# KiCad board TimeDisk.kicad_pcb
title: TimeDisk (GW4206B); date: 2024-04-16; rev: 1.0; company: Garrett's Workshop
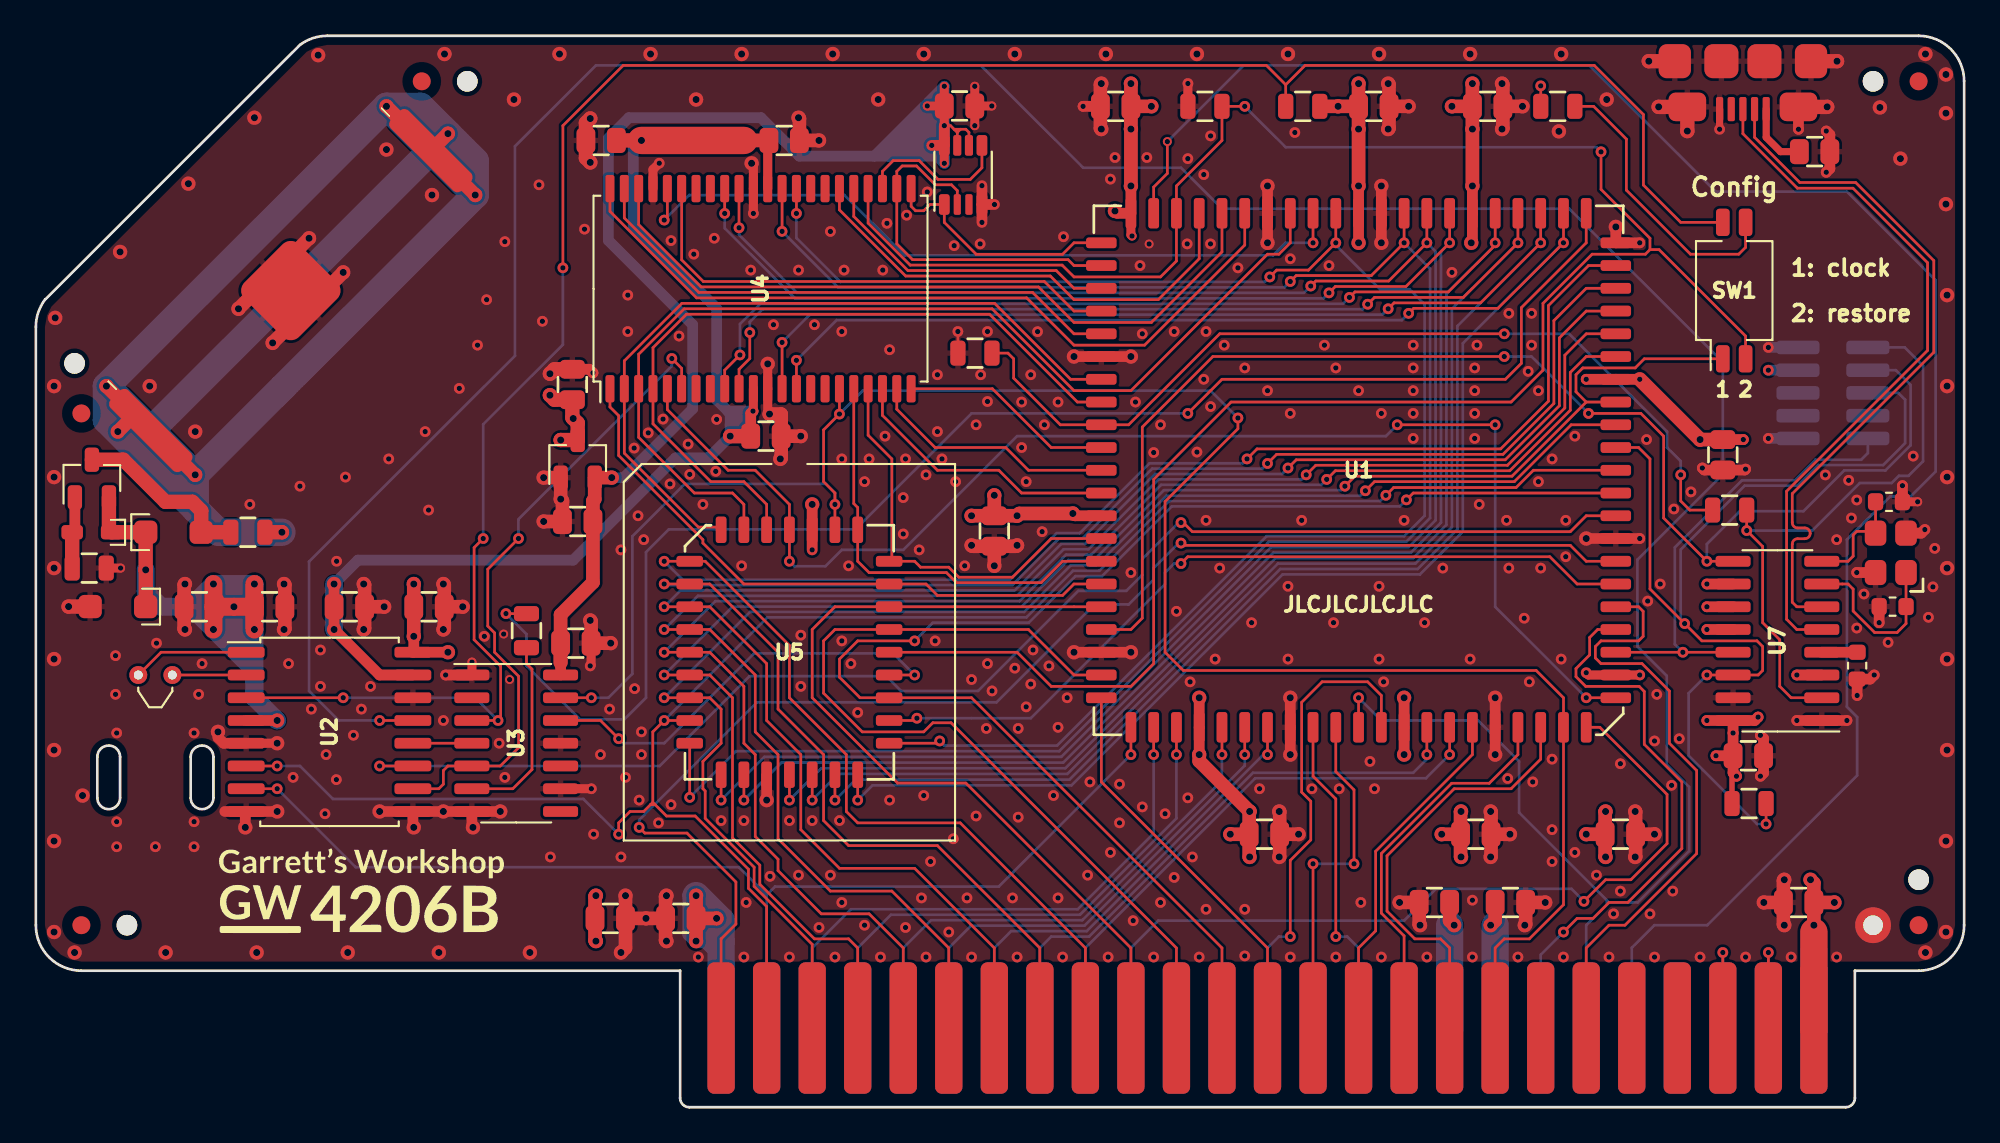
[diagram p0: board, top side]
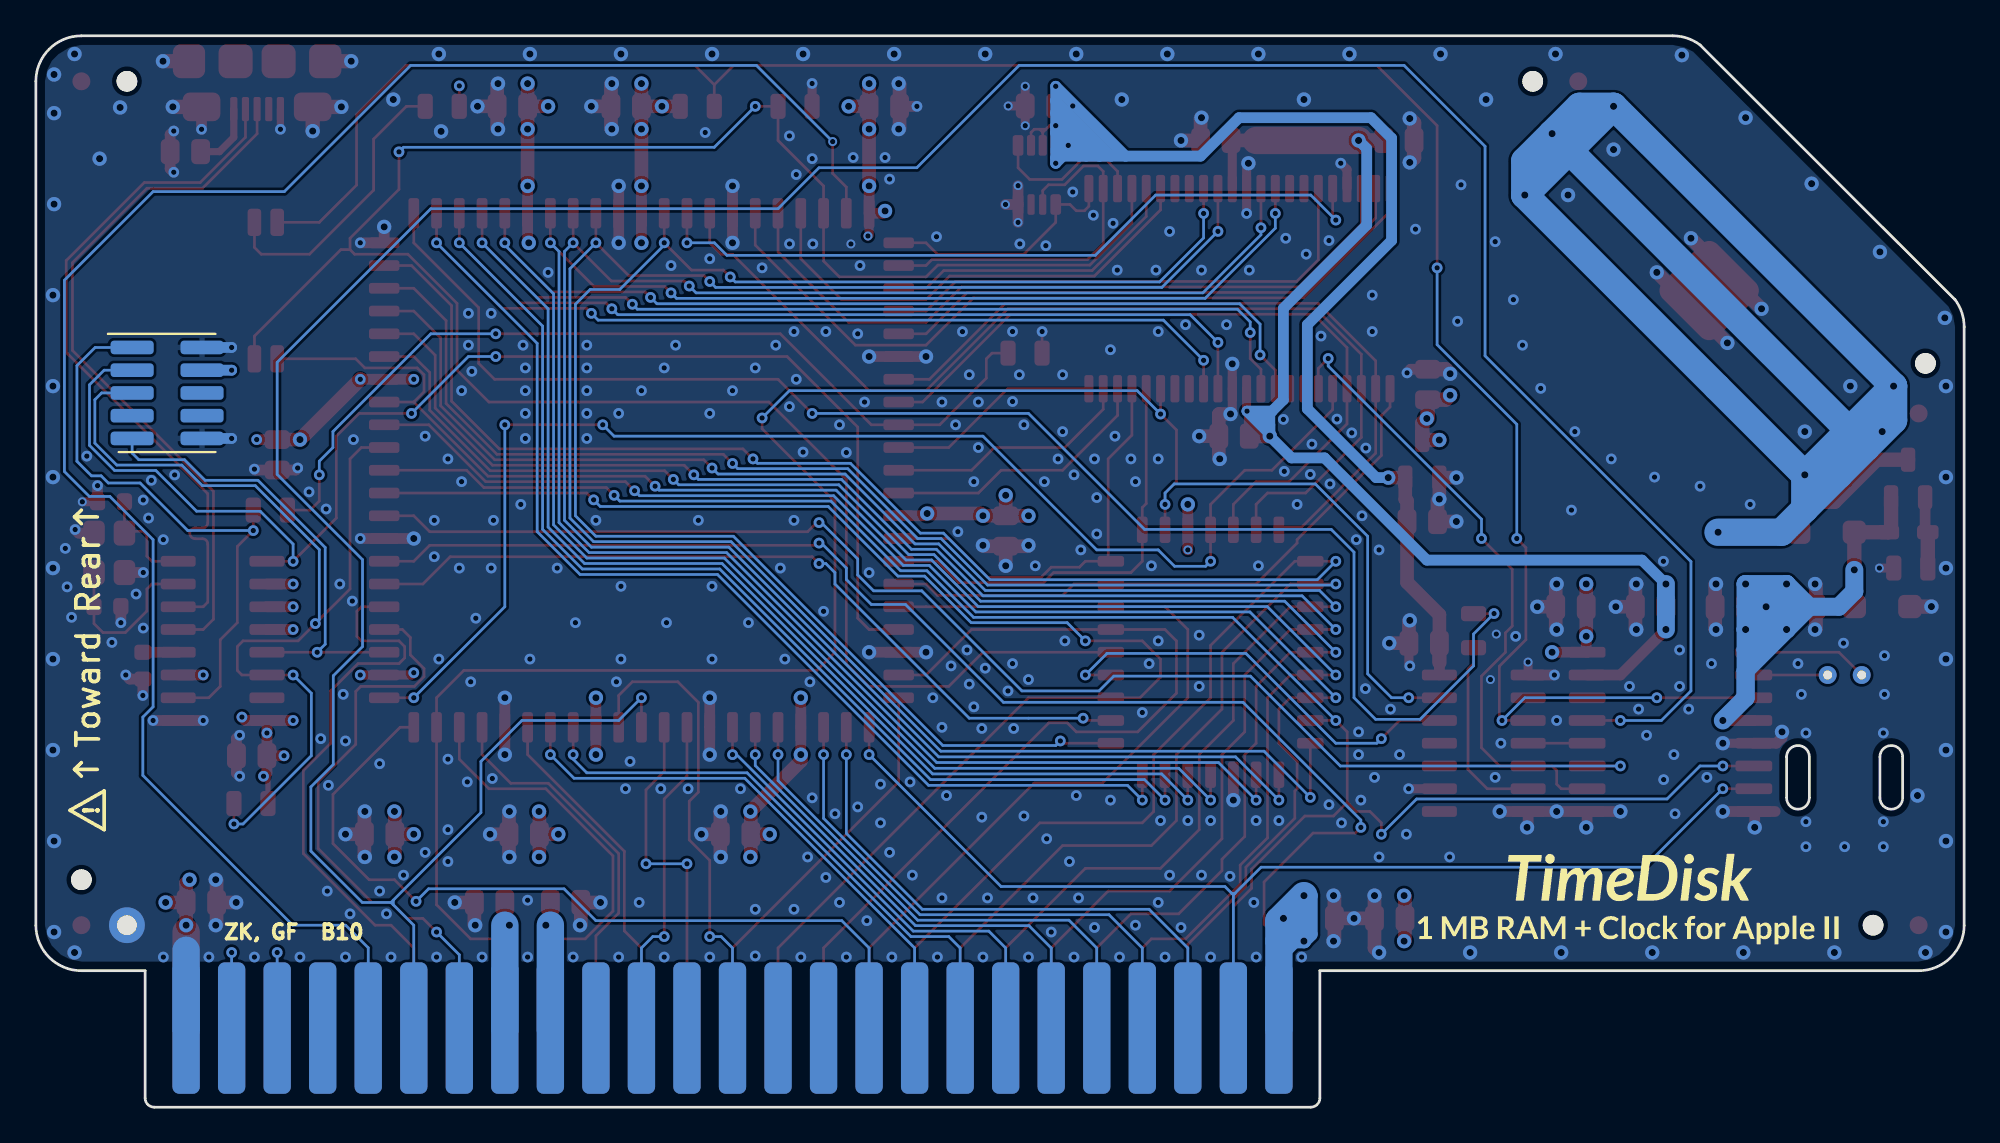
[diagram p1: board, bottom side, seen from below]

Outline 107.57 x 59.82 mm; copper layers: Top, In1.Cu (plane), In2.Cu (plane), Bottom. Coordinates in mm from the lower left corner of the outline.
Outline path: 0,43.56 arc(0.13,44.36) 0.51,45.09 14.73,59.31 arc(15.45,59.69) 16.26,59.82 105.03,59.82 arc(106.83,59.07) 107.57,57.28 107.57,10.16 arc(106.83,8.36) 105.03,7.62 101.47,7.62 101.47,0.51 arc(101.32,0.15) 100.97,0 36.45,0 arc(36.09,0.15) 35.94,0.51 35.94,7.62 2.54,7.62 arc(0.74,8.36) 0,10.16 0,43.56 ; 3.43,19.56 3.43,17.27 arc(4.06,16.64) 4.7,17.27 4.7,19.56 arc(4.06,20.19) 3.43,19.56 ; 8.64,19.56 8.64,17.27 arc(9.27,16.64) 9.91,17.27 9.91,19.56 arc(9.27,20.19) 8.64,19.56
Stack: Top 0.035mm / dielectric 0.2104mm FR4 er 4.6 / In1.Cu 0.0175mm / dielectric 1.065mm FR4 er 4.5 / In2.Cu 0.0175mm / dielectric 0.2104mm FR4 er 4.6 / Bottom 0.035mm

## Placement (name value [footprint] x y rotation side)
BT1  CR2032  [Keystone_3034_2032]  14.22 45.59 225 top
C1  2u2  [C_0805]  98.34 11.43 180 top
C2  2u2  [C_0805]  88.39 15.24 0 top
C3  2u2  [C_0805]  94.11 36.42 270 top
C4  2u2  [C_0805]  80.99 55.88 0 top
C5  2u2  [C_0805]  74.64 55.88 0 top
C6  2u2  [C_0805]  60.24 55.88 180 top
C7  2u2  [C_0805]  53.47 32.17 270 top
C8  2u2  [C_0805]  30.12 25.91 0 top
C9  2u2  [C_0805]  21.93 27.94 0 top
C10  2u2  [C_0805]  9.12 27.94 180 top
C11  2u2  [C_0805]  29.93 40.35 90 top
C12  2u2  [C_0805]  13.04 27.94 0 top
C13  2u2  [C_0805]  30.23 32.7 180 top
C14  2u2  [C_0805]  17.49 27.94 0 top
C15  2u2  [C_0805]  40.73 37.46 0 top
C16  2u2  [C_0805]  41.74 53.97 0 top
C17  2u2  [C_0805]  31.53 53.97 180 top
C18  2u2  [C_0805]  35.98 10.54 180 top
C19  2u2  [C_0805]  78.02 11.43 0 top
C20  2u2  [C_0805]  80.33 15.24 0 top
C21  2u2  [C_0805]  82.26 11.43 180 top
C22  2u2  [C_0805]  68.54 15.24 0 top
C23  22p  [C_0603]  103.38 33.8 0 top
C24  22p  [C_0603]  103.58 27.95 180 top
C25  100n  [C_0603]  101.6 24.65 270 top
C26  2u2  [C_0805]  32.04 10.54 0 top
C27  2u2  [C_0805]  95.53 19.62 0 top
C28  2u2  [C_0805]  99.23 53.35 0 top
C29  2u2  [C_0805]  51.53 55.9 0 top
D1  1N5819WS  [D_SOD-123]  7.68 32.1 0 top
D2  1N5819WS  [D_SOD-123]  4.58 27.95 180 top
D3  6V8  [D_SOD-323]  3.13 32.1 180 top
FID1  -  [Fiducial]  105.03 57.28 270 top
FID2  -  [Fiducial]  2.54 38.73 90 top
FID3  -  [Fiducial]  21.53 57.28 90 top
FID4  -  [Fiducial]  105.03 10.16 0 top
FID5  -  [Fiducial]  2.54 10.16 0 top
G***  -  [LOGO]  18.16 11.87 0 top
G***#2  -  [LOGO]  18.73 11.82 180 bottom
H1  -  [PasteHole_1.1mm_PTH]  102.49 10.16 0 top
H2  -  [PasteHole_1.152mm_NPTH]  2.16 41.53 90 top
H3  -  [PasteHole_1.152mm_NPTH]  24.07 57.28 90 top
H4  -  [PasteHole_1.152mm_NPTH]  102.49 57.28 270 top
H5  -  [PasteHole_1.152mm_NPTH]  5.08 10.16 0 top
H6  -  [PasteHole_1.152mm_NPTH]  105.03 12.7 0 top
J1  AppleIIBus  [AppleIIBus_Edge]  68.71 4.32 0 top
J2  microUSB  [USB_Micro-B_Amphenol_10118192-0001]  95.23 57.85 180 top
J3  JTAG  [Header_2x5_Unshrouded_P1.27mm]  100.25 39.88 270 bottom
Q1  AO3401A  [SOT-23]  3.13 35.1 270 top
R1  4k7  [R_0805]  70.67 55.88 0 top
R2  4k7  [R_0805]  65.22 55.88 0 top
R3  4k7  [R_0805]  84.9 55.88 0 top
R4  22  [R_0805]  27.37 26.6 90 top
R5  22  [R_0805]  94.49 33.34 180 top
R7  680  [R_0805]  11.83 32.1 0 top
R8  680  [R_0805]  2.98 30.1 180 top
R9  DNP  [R_0805]  52.39 42.1 180 top
R10  DNP  [R_0805]  95.57 16.95 0 top
SW1  Mode  [SW_DIP_SPSTx02_Slide_DSHP02TS_P1.27mm]  94.74 45.59 0 top
U1  EPM7128SL84  [PLCC-84]  73.79 35.56 180 top
U2  DS1315S-5  [SOIC-16_7.5mm]  16.38 20.95 270 top
U3  74LVC04AD  [SOIC-14_3.9mm]  26.8 20.32 270 top
U4  AS6C8008  [TSOP-II-44_400mil_P0.8mm]  40.43 45.7 0 top
U5  39F040  [PLCC-32_SMDSocket]  42.04 25.4 270 top
U6  XC6206P332MR  [SOT-23]  30.23 36.2 270 top
U7  CH340G  [SOIC-16_3.9mm]  97.15 26.03 90 top
U8  74LVC1G74DP  [NXP_TSSOP-8_3x3mm_P0.65mm]  51.73 52.05 90 top
Y1  32k768  [Crystal_C26-LF_D2.1mm_L6.5mm_Horizontal]  5.72 24.13 0 top
Y2  12M  [Crystal_SMD_3225-4Pin_3.2x2.5mm]  103.48 30.95 90 top

## Library data of the parts
BT1 = -: Description: Single-cell battery; LCSC Part: C964833
C1-C22 C26-C29 = -: Description: Unpolarized capacitor, small symbol; LCSC Part: C87994
C23 C24 = -: Description: Unpolarized capacitor, small symbol; LCSC Part: C1653
C25 = -: Description: Unpolarized capacitor, small symbol; LCSC Part: C28233
D1 D2 = -: Description: Schottky diode, small symbol, filled shape; LCSC Part: C191023
D3 = -: Description: Zener diode, small symbol, filled shape; LCSC Part: C118604
FID1-FID5 = -: Description: Fiducial Marker
H1 = -: Description: Mounting Hole with connection
H2-H6 = -: Description: Mounting Hole without connection
J1 = -: Description: Generic connector, double row, 02x25, counter clockwise pin numbering scheme (similar to DIP packge numbering), script generated (kicad-library-utils/schlib/autogen/connector/)
J2 = -: Description: USB Micro Type B connector; LCSC Part: C132564
J3 = -: Description: Generic connector, double row, 02x05, odd/even pin numbering scheme (row 1 odd numbers, row 2 even numbers), script generated (kicad-library-utils/schlib/autogen/connector/)
Q1 = -: Description: -4.0A Id, -30V Vds, P-Channel MOSFET, SOT-23; LCSC Part: C15127
R1-R3 = -: Description: Resistor, small symbol; LCSC Part: C17673
R4 R5 = -: Description: Resistor, small symbol; LCSC Part: C17561
R7 R8 = -: Description: Resistor, small symbol; LCSC Part: C17798
R9 R10 = -: Description: Resistor, small symbol
SW1 = -: Description: 2x DIP Switch, Single Pole Single Throw (SPST) switch, small symbol
U3 = -: Description: Hex Inverter; LCSC Part: C190764
U4 = -: LCSC Part: C1349342
U5 = -: LCSC Part: C645936
U6 = -: Description: Positive 60-250mA Low Dropout Regulator, Fixed Output, SOT-23; LCSC Part: C5446
U7 = -: Description: USB serial converter, UART, SOIC-16; LCSC Part: C14267
U8 = -: LCSC Part: C458768
Y1 = -: Description: Two pin crystal, small symbol
Y2 = -: Description: Four pin crystal, GND on pins 2 and 4, small symbol; LCSC Part: C9002

## Footprints (pads in the part's own frame, mm; a bottom-side part is the same pattern mirrored in y, then rotated)
AppleIIBus_Edge
  rrect 1.524x7.34 smd: 1(-30.48,0.1) 2(-27.94,0.1) 3(-25.4,0.1) 4(-22.86,0.1) 5(-20.32,0.1) 6(-17.78,0.1) 7(-15.24,0.1) 8(-12.7,0.1) 9(-10.16,0.1) 10(-7.62,0.1) 11(-5.08,0.1) 12(-2.54,0.1) 13(0,0.1) 14(2.54,0.1) 15(5.08,0.1) 16(7.62,0.1) 17(10.16,0.1) 18(12.7,0.1) 19(15.24,0.1) 20(17.78,0.1) 21(20.32,0.1) 22(22.86,0.1) 23(25.4,0.1) 24(27.94,0.1) 25(30.48,0.1)
  rrect 1.524x7.34 smd far side: 26(30.48,0.1) 27(27.94,0.1) 28(25.4,0.1) 29(22.86,0.1) 30(20.32,0.1) 31(17.78,0.1) 32(15.24,0.1) 33(12.7,0.1) 34(10.16,0.1) 35(7.62,0.1) 36(5.08,0.1) 37(2.54,0.1) 38(0,0.1) 39(-2.54,0.1) 40(-5.08,0.1) 41(-7.62,0.1) 42(-10.16,0.1) 43(-12.7,0.1) 44(-15.24,0.1) 45(-17.78,0.1) 46(-20.32,0.1) 47(-22.86,0.1) 48(-25.4,0.1) 49(-27.94,0.1) 50(-30.48,0.1)
C_0603
  rrect 0.85x0.95 smd: 1(-0.75,0) 2(0.75,0)
C_0805
  rrect 1.05x1.4 smd: 1(-0.85,0) 2(0.85,0)
Crystal_C26-LF_D2.1mm_L6.5mm_Horizontal
  round 1 hole 0.5: 1(0,0) 2(1.9,0)
Crystal_SMD_3225-4Pin_3.2x2.5mm
  rrect 1.4x1.2 smd: 1(-1.1,-0.85) 2(1.1,-0.85) 3(1.1,0.85) 4(-1.1,0.85)
D_SOD-123
  rrect 1.3x1.3 smd: 1(-1.55,0) 2(1.55,0)
D_SOD-323
  rrect 1.2x0.8 smd: 1(-1.1,0) 2(1.1,0)
Fiducial
  round 1 smd: ~(0,0)
Header_2x5_Unshrouded_P1.27mm
  rrect 0.76x2.4 smd: 1(-2.54,-1.95) 2(-2.54,1.95) 3(-1.27,-1.95) 4(-1.27,1.95) 5(0,-1.95) 6(0,1.95) 7(1.27,-1.95) 8(1.27,1.95) 9(2.54,-1.95) 10(2.54,1.95)
Keystone_3034_2032
  rrect 1.397x5.588 smd: 1(-11.049,0) 1(11.049,0)
  rrect 4.3x4.3 smd: 2(0,0)
NXP_TSSOP-8_3x3mm_P0.65mm
  rrect 1.15x0.6 smd: 1(-1.65,1.05) 4(-1.65,-1.05) 5(1.65,-1.05) 8(1.65,1.05)
  rrect 1.15x0.4 smd: 2(-1.65,0.325) 3(-1.65,-0.325)
  rrect 1.15x0.45 smd: 6(1.65,-0.325) 7(1.65,0.325)
PasteHole_1.1mm_PTH
  round 2 hole 1.1: 1(0,0)
PasteHole_1.152mm_NPTH
  round 1.152 hole 1.152 unplated: (0,0)
PLCC-32_SMDSocket
  rrect 1.475x0.6 smd: 1(-6.838,0) 2(-6.838,-1.27) 3(-6.838,-2.54) 4(-6.838,-3.81) 14(6.838,-3.81) 15(6.838,-2.54) 16(6.838,-1.27) 17(6.838,0) 18(6.838,1.27) 19(6.838,2.54) 20(6.838,3.81) 30(-6.838,3.81) 31(-6.838,2.54) 32(-6.838,1.27)
  rrect 0.6x1.475 smd: 5(-5.08,-5.562) 6(-3.81,-5.562) 7(-2.54,-5.562) 8(-1.27,-5.562) 9(0,-5.562) 10(1.27,-5.562) 11(2.54,-5.562) 12(3.81,-5.562) 13(5.08,-5.562) 21(5.08,5.562) 22(3.81,5.562) 23(2.54,5.562) 24(1.27,5.562) 25(0,5.562) 26(-1.27,5.562) 27(-2.54,5.562) 28(-3.81,5.562) 29(-5.08,5.562)
PLCC-84
  rrect 0.6x1.7 smd: 1(0,14.35) 2(-1.27,14.35) 3(-2.54,14.35) 4(-3.81,14.35) 5(-5.08,14.35) 6(-6.35,14.35) 7(-7.62,14.35) 8(-8.89,14.35) 9(-10.16,14.35) 10(-11.43,14.35) 11(-12.7,14.35) 33(-12.7,-14.35) 34(-11.43,-14.35) 35(-10.16,-14.35) 36(-8.89,-14.35) 37(-7.62,-14.35) 38(-6.35,-14.35) 39(-5.08,-14.35) 40(-3.81,-14.35) 41(-2.54,-14.35) 42(-1.27,-14.35) 43(0,-14.35) 44(1.27,-14.35) 45(2.54,-14.35) 46(3.81,-14.35) 47(5.08,-14.35) 48(6.35,-14.35) 49(7.62,-14.35) 50(8.89,-14.35) 51(10.16,-14.35) 52(11.43,-14.35) 53(12.7,-14.35) 75(12.7,14.35) 76(11.43,14.35) 77(10.16,14.35) 78(8.89,14.35) 79(7.62,14.35) 80(6.35,14.35) 81(5.08,14.35) 82(3.81,14.35) 83(2.54,14.35) 84(1.27,14.35)
  rrect 1.7x0.6 smd: 12(-14.35,12.7) 13(-14.35,11.43) 14(-14.35,10.16) 15(-14.35,8.89) 16(-14.35,7.62) 17(-14.35,6.35) 18(-14.35,5.08) 19(-14.35,3.81) 20(-14.35,2.54) 21(-14.35,1.27) 22(-14.35,0) 23(-14.35,-1.27) 24(-14.35,-2.54) 25(-14.35,-3.81) 26(-14.35,-5.08) 27(-14.35,-6.35) 28(-14.35,-7.62) 29(-14.35,-8.89) 30(-14.35,-10.16) 31(-14.35,-11.43) 32(-14.35,-12.7) 54(14.35,-12.7) 55(14.35,-11.43) 56(14.35,-10.16) 57(14.35,-8.89) 58(14.35,-7.62) 59(14.35,-6.35) 60(14.35,-5.08) 61(14.35,-3.81) 62(14.35,-2.54) 63(14.35,-1.27) 64(14.35,0) 65(14.35,1.27) 66(14.35,2.54) 67(14.35,3.81) 68(14.35,5.08) 69(14.35,6.35) 70(14.35,7.62) 71(14.35,8.89) 72(14.35,10.16) 73(14.35,11.43) 74(14.35,12.7)
R_0805
  rrect 0.85x1.4 smd: 1(-0.95,0) 2(0.95,0)
SOIC-14_3.9mm
  rrect 0.6x1.95 smd: 1(-3.81,-2.475) 2(-2.54,-2.475) 3(-1.27,-2.475) 4(0,-2.475) 5(1.27,-2.475) 6(2.54,-2.475) 7(3.81,-2.475) 8(3.81,2.475) 9(2.54,2.475) 10(1.27,2.475) 11(0,2.475) 12(-1.27,2.475) 13(-2.54,2.475) 14(-3.81,2.475)
SOIC-16_3.9mm
  rrect 0.6x1.95 smd: 1(-4.445,-2.475) 2(-3.175,-2.475) 3(-1.905,-2.475) 4(-0.635,-2.475) 5(0.635,-2.475) 6(1.905,-2.475) 7(3.175,-2.475) 8(4.445,-2.475) 9(4.445,2.475) 10(3.175,2.475) 11(1.905,2.475) 12(0.635,2.475) 13(-0.635,2.475) 14(-1.905,2.475) 15(-3.175,2.475) 16(-4.445,2.475)
SOIC-16_7.5mm
  rrect 0.6x2.05 smd: 1(-4.445,-4.65) 2(-3.175,-4.65) 3(-1.905,-4.65) 4(-0.635,-4.65) 5(0.635,-4.65) 6(1.905,-4.65) 7(3.175,-4.65) 8(4.445,-4.65) 9(4.445,4.65) 10(3.175,4.65) 11(1.905,4.65) 12(0.635,4.65) 13(-0.635,4.65) 14(-1.905,4.65) 15(-3.175,4.65) 16(-4.445,4.65)
SOT-23
  rrect 1.35x0.8 smd: 1(1.05,-0.95) 2(1.05,0.95) 3(-1.05,0)
SW_DIP_SPSTx02_Slide_DSHP02TS_P1.27mm
  rrect 0.76x1.524 smd: 1(-0.635,-3.81) 2(0.635,-3.81) 3(0.635,3.81) 4(-0.635,3.81)
TSOP-II-44_400mil_P0.8mm
  rrect 0.5x1.525 smd: 1(-8.4,-5.588) 2(-7.6,-5.588) 3(-6.8,-5.588) 4(-6,-5.588) 5(-5.2,-5.588) 6(-4.4,-5.588) 7(-3.6,-5.588) 8(-2.8,-5.588) 9(-2,-5.588) 10(-1.2,-5.588) 11(-0.4,-5.588) 12(0.4,-5.588) 13(1.2,-5.588) 14(2,-5.588) 15(2.8,-5.588) 16(3.6,-5.588) 17(4.4,-5.588) 18(5.2,-5.588) 19(6,-5.588) 20(6.8,-5.588) 21(7.6,-5.588) 22(8.4,-5.588) 23(8.4,5.588) 24(7.6,5.588) 25(6.8,5.588) 26(6,5.588) 27(5.2,5.588) 28(4.4,5.588) 29(3.6,5.588) 30(2.8,5.588) 31(2,5.588) 32(1.2,5.588) 33(0.4,5.588) 34(-0.4,5.588) 35(-1.2,5.588) 36(-2,5.588) 37(-2.8,5.588) 38(-3.6,5.588) 39(-4.4,5.588) 40(-5.2,5.588) 41(-6,5.588) 42(-6.8,5.588) 43(-7.6,5.588) 44(-8.4,5.588)
USB_Micro-B_Amphenol_10118192-0001
  rrect 0.4x1.35 smd: 1(-1.3,2.125) 2(-0.65,2.125) 3(0,2.125) 4(0.65,2.125) 5(1.3,2.125)
  rrect 1.8x1.9 smd: 6(-3.8,-0.55) 6(3.8,-0.55)
  rrect 2.1x1.6 smd: 6(-3.1,2) 6(3.1,2)
  rrect 1.9x1.9 smd: 6(-1.2,-0.55) 6(1.2,-0.55)

## Nets
+3V3: C8.1 C13.1 C29.1 U3.14 U6.2 U8.6 U8.7 U8.8
+5V: C1.1 C2.1 C3.1 C4.1 C5.1 C6.1 C7.1 C9.1 C11.1 C20.1 C22.1 C26.1 C27.1 J1.25 J3.4 R1.2 R3.1 R10.1 U1.3 U1.13 U1.26 U1.38 U1.43 U1.53 U1.66 U1.78 U2.16 U5.32 U6.3 U7.3 U7.10 U7.11 U7.12 U7.16
+12V: C18.1 J1.50
-5V: C19.2 J1.34
-12V: C21.2 J1.33
GND: BT1.2 C1.2 C2.2 C3.2 C4.2 C5.2 C6.2 C7.2 C8.2 C9.2 C10.2 C11.2 C12.2 C13.2 C14.2 C15.2 C16.2 C17.2 C18.2 C19.1 C20.2 C21.1 C22.2 C23.2 C24.2 C25.2 C26.2 C27.2 C28.2 C29.2 D2.2 H1.1 J1.26 J2.5 J2.6 J3.2 J3.10 R2.1 R8.1 R9.2 U1.7 U1.19 U1.32 U1.42 U1.47 U1.59 U1.72 U1.82 U2.5 U2.8 U2.9 U2.14 U3.1 U3.7 U3.9 U3.11 U4.12 U4.34 U4.41 U5.16 U6.1 U7.1 U7.15 U8.4 Y2.2 Y2.4
+5C: C14.1 C15.1 C16.1 C17.1 U2.15 U4.11 U4.33
+BATT: C10.1 C12.1 D1.1 D2.1 D3.1 Q1.2 U2.4
/7M: J1.36 U1.83
/A0: J1.2 U1.22 U2.6 U5.12
/A1: J1.3 U1.24 U5.11
/A2: J1.4 SW1.1 U1.25 U5.10
/A3: J1.5 U1.27 U5.9
/A4: J1.6 U1.28 U5.8
/A5: J1.7 U1.29 U5.7
/A6: J1.8 U1.30 U5.6
/A7: J1.9 U1.31 U5.5
/A8: J1.10 U1.70 U5.27
/A9: J1.11 U1.73 U5.26
/A10: J1.12 U1.21 U5.23
/A11: J1.13 U1.74
/A12: J1.14 U1.84
/A13: J1.15 U1.6
/A14: J1.16 U1.8
/A15: J1.17 U1.9
/CH340_3V3: C25.1 U7.4
/COLORREF: J1.35
/D0: J1.49 U1.75 U2.7
/D1: J1.48 U1.76
/D2: J1.47 U1.77
/D3: J1.46 U1.79
/D4: J1.45 U1.80
/D5: J1.44 U1.81
/D6: J1.43 U1.4
/D7: J1.42 U1.5
/DMA: J1.22
/DMAin: J1.24 J1.27
/DS~{OE}: U2.12 U3.4
/DS~{WE}: R1.1 SW1.4 U2.3 U3.3
/INTin: J1.23 J1.28
/PHI0: J1.40
/PHI1: J1.38 U1.2
/Q3: J1.37
/RA0: U4.25 U8.5
/RA1: U1.55 U4.24 U8.2
/RA2: U1.54 U4.23 U8.1
/RA3: U1.63 U4.22
/RA4: U1.64 U4.21
/RA5: U1.48 U4.44
/RA6: U1.58 U4.43
/RA7: U1.49 U4.42
/RA8: U1.57 U4.39
/RA9: U1.50 U4.28
/RA10: U1.56 U4.27
/RA11: R2.2 SW1.2 U1.51 U4.26 U5.25
/RA12: U1.60 U4.2 U5.4
/RA13: U1.69 U4.1 U5.28
/RA14: U1.67 U4.19 U5.29
/RA15: U1.46 U4.3 U5.3
/RA16: U1.61 U4.4 U5.2
/RA17: U1.68 U4.18 U5.30
/RA18: U1.12 U4.5 U5.1
/RA19: U1.65 U4.20
/RAMCS: U1.45 U4.40
/RAMROMCSgb: R4.2 U1.33
/RAMROM~{CS}: U1.20 U2.11
/RAMROM~{CS}g: U2.10 U3.5 U4.6
/RD0: U1.41 U4.32 U5.13
/RD1: U1.40 U4.35 U5.14
/RD2: U1.39 U4.36 U5.15
/RD3: U1.37 U4.9 U5.17
/RD4: U1.36 U4.10 U5.18
/RD5: U1.35 U4.13 U5.19
/RD6: U1.34 U4.14 U5.20
/RD7: U1.44 U4.31 U5.21
/RDY: J1.21
/ROM~{CS}: U1.17 U5.22
/R~{W}: J1.18 U1.10 U3.13 U4.17 U5.31
/TCK: R5.2 R9.1 U1.62
/TCKr: J3.1 R5.1 U7.2
/TDI: J3.9 U1.14 U7.13
/TDO: J3.3 U1.71 U7.9
/TMS: J3.5 R10.2 U1.23 U7.14
/USB5V: C28.1 J2.1
/USER1: J1.39
/VIDSYNC: J1.19
/~{DEVSEL}: J1.41 U1.11
/~{INH}: J1.32 U1.15
/~{IOSEL}: J1.1 U1.18
/~{IOSTRB}: J1.20 U1.16
/~{IRQ}: J1.30 U1.52
/~{NMI}: J1.29
/~{OE}: U3.12 U5.24
/~{RES}: J1.31 U1.1 U2.13
Net-(BT1-+): BT1.1 R7.2
Net-(D1-A): D1.2 Q1.3 R7.1
Net-(D3-A): D3.2 Q1.1 R8.2
Net-(J2-D+): J2.3 U7.5
Net-(J2-D-): J2.2 U7.6
Net-(R3-Pad2): R3.2 SW1.3
Net-(R4-Pad1): R4.1 U3.6
Net-(U2-X1): U2.1 Y1.1
Net-(U2-X2): U2.2 Y1.2
Net-(U7-XI): C24.1 U7.7 Y2.1
Net-(U7-XO): C23.1 U7.8 Y2.3

Pads without a net: FID1 ~; FID2 ~; FID3 ~; FID4 ~; FID5 ~; J2 4; J3 6 7 8; U3 2 8 10; U4 7 8 15 16 29 30 37 38; U8 3

## Via types
v1: diameter 0.8, hole 0.4, Top to Bottom, 216 vias
v2: diameter 0.6, hole 0.3, Top to Bottom, 468 vias
v3: diameter 0.5, hole 0.3, Top to Bottom, 20 vias

## Routing (per net, layer and track width the routed paths; a pad name or vN(x,y) marks a point on that pad's centre or on a via; arc(x,y) is an arc through that point)
+3V3: length 89.2
  Top w0.15: v3(50.68,54.8) 51.03,54.8 51.23,54.6 ; 51.58,54.6 51.88,54.6 52.05,54.42 U8.6 ; 51.58,54.6 51.4,54.42 ; 51.58,54.6 51.23,54.6 ; U8.7 51.4,54.42 ; 51.4,54.42 51.23,54.6
  Top w0.5: C29.1 v3(50.68,57) ; C29.1 v3(50.68,54.8) ; C29.1 v3(49.73,55.9) ; U8.8 v3(50.68,52.7)
  Top w0.6: v3(49.98,53.7) U8.8 v3(50.68,54.8) ; U3.14 29.27,24.83
  Top w0.762: C8.1 29.27,27.5 31.08,29.3 C13.1 31.08,33.85 31.18,33.95 U6.2 v1(32.13,35.15)
  Top w0.8: C8.1 29.27,25.91 29.27,24.83
  Bottom w0.6: 50.68,56.2 50.68,56.19 47.58,53.1 ; 50.68,56.2 v3(50.68,57) 46.78,53.1 ; 50.68,56.2 50.68,55.5 ; v3(49.98,53.7) 50.68,54.4 v3(50.68,54.8) ; v3(49.98,53.7) 50.68,53 v3(50.68,52.7) ; v3(49.98,53.7) 49.38,53.1 ; 50.68,55.5 48.28,53.1 48.22,53.1 ; 50.68,55.5 v3(50.68,54.8) ; 48.22,53.1 47.58,53.1 ; 48.22,53.1 48.98,53.1 ; v3(50.68,54.8) v3(50.68,52.7) ; v3(50.68,54.8) 48.98,53.1 ; v3(50.68,52.7) 50.28,53.1 49.38,53.1 ; 48.98,53.1 49.38,53.1 ; 46.78,53.1 42.59,53.1 40.45,55.24 33.08,55.24 31.94,54.1 31.94,48.39 36.64,43.69 36.64,38.99 32.8,35.15 v1(32.13,35.15) ; 46.78,53.1 47.58,53.1
+5V: length 117.5
  Top w0.15: v2(83.95,57.02) 83.95,57.02 83.95,55.88
  Top w0.3: 94.68,18.67 94.62,18.61 R10.1
  Top w0.5: U1.53 61.09,48.7 v3(61.15,48.64)
  Top w0.508: v2(89.47,24.13) U1.13 86.61,24.13 v2(86.49,24.26)
  Top w0.6: v1(22.99,25.4) U2.16 21.08,25.45 v1(21.08,26.29) ; v1(43.31,33.65) U5.32 v3(43.31,31.11) ; v1(76.33,22.86) U1.3 v1(76.33,19.68) ; v1(73.79,48.26) U1.43 v1(73.79,51.43) ; v1(64.9,19.68) U1.78 v1(64.9,22.86) ; v2(86.49,40.64) U1.26 v2(89.47,40.64) ; v1(80.14,51.43) U1.38 80.14,48.32 v1(80.07,48.26) ; v1(61.09,51.43) U1.53 60.33,49.91 v1(60.2,50.04) ; v2(94.87,18.48) 94.68,18.67 C27.1 ; U7.12 v2(93.22,26.67) ; U7.16 95.88,21.59 v2(96.07,21.78) ; U7.16 v2(94.68,20.89) C27.1 ; U7.16 v2(93.22,21.59) ; U7.11 v2(93.22,27.94) ; C27.1 v2(93.73,19.62) ; v1(57.85,33.15) 57.98,33.02 U1.66 ; v2(95.25,37.27) C3.1 ; U7.10 v2(93.22,29.21) ; U7.3 v2(98.23,24.13)
  Top w0.762: v1(21.08,29.21) C9.1 v1(21.08,26.29) ; C1.1 v1(100.33,11.43) ; C1.1 v1(99.19,10.16) 99.19,9.78 ; C1.1 99.19,12.51 v1(99,12.7) ; C4.1 v1(80.14,57.15) ; C4.1 v1(80.14,54.61) v1(80.14,51.43) ; C4.1 v1(78.99,55.88) ; C6.1 v1(61.09,54.61) v1(61.09,51.43) ; C6.1 v1(61.09,57.15) ; C6.1 v1(62.23,55.88) ; C5.1 v1(73.79,57.15) ; C5.1 v1(72.64,55.88) R1.2 ; C5.1 v1(73.79,54.61) v1(73.79,51.43) ; C3.1 v1(92.84,37.27) ; C7.1 v1(53.47,34.16) ; C7.1 v1(52.2,33.02) ; C7.1 v1(54.74,33.02) 54.86,33.15 v1(57.85,33.15) ; v1(79.5,16.51) 79.48,16.49 C20.1 ; C20.1 v1(78.42,15.24) ; C20.1 79.48,13.99 ; C22.1 67.69,16.49 v1(67.71,16.51) 64.9,19.32 v1(64.9,19.68) ; C22.1 67.69,13.99 ; C22.1 v1(66.63,15.24) ; C2.1 87.54,16.49 v1(87.57,16.51) ; C2.1 v1(86.49,15.24) ; C2.1 87.54,13.99 v1(87.57,13.97) ; v1(31.24,9.27) 31.19,9.32 C26.1 31.19,11.76 v1(31.24,11.81)
  Top w0.8: v2(89.47,40.64) v1(92.84,37.27) ; v1(28.68,39.75) 28.93,39.5 C11.1 29.93,38.5 v1(29.98,38.45) 30.23,38.2 U6.3 v1(29.28,37.25)
  Top w1.524: 99.19,4.32 99.19,9.78
  Bottom w0.6: J3.4 v2(96.65,41.15)
  vias: v1(67.71,13.97) v1(79.5,13.97)
+12V: length 32.7
  Top w0.762: C18.1 v1(37.97,10.54) ; C18.1 v1(36.83,11.81) ; C18.1 v1(36.83,9.27)
  Bottom w0.762: v1(37.97,10.54) 37.21,10.54 36.83,10.16 ; 36.83,10.16 v1(36.83,11.81) 36.45,11.81 36.45,9.65 v1(36.83,9.27) ; 36.83,10.16 38.23,8.76 38.23,4.32 38.23,8.38 37.34,9.27 ; 36.83,10.16 v1(36.83,9.27) ; v1(36.83,9.27) 38.23,9.27
  Bottom w0.8: v1(36.83,9.27) 37.34,9.27
  Bottom w1.524: 38.23,4.32 38.23,10.29 ; v1(36.83,11.81) 38.23,10.41 38.23,10.29 ; 38.23,10.29 v1(37.97,10.54)
-5V: length 7.5
  Top w0.762: v1(79.12,10.16) 78.87,10.41 C19.2
  Bottom w0.762: v1(79.12,10.16) 78.87,10.16
  Bottom w1.524: 78.87,4.32 78.87,10.16
-12V: length 7.5
  Top w0.762: C21.2 81.41,10.41 v1(81.15,10.16)
  Bottom w0.762: v1(81.15,10.16) 81.41,10.16
  Bottom w1.524: 81.41,4.32 81.41,10.16
GND: length 185.6
  Top w0.15: v2(51.44,43.31) 51.44,43.3 R9.2
  Top w0.4: J2.5 v2(93.93,54.6)
  Top w0.5: C29.2 v3(52.38,54.8) ; C29.2 v3(53.33,55.9) ; C29.2 v3(52.38,57) ; v3(24.33,24.85) 24.33,24.13 U3.1 ; C23.2 v3(104.98,33.8) ; R8.1 v3(4.73,30.1)
  Top w0.508: U2.5 v1(13.46,20.32) ; v1(40.83,41.5) U4.12 40.83,38.8 v1(40.93,38.7) ; v2(40.03,49.9) U4.34 40.03,52.6 v1(39.93,52.7) ; C8.2 30.97,24.69 v2(30.92,24.64) ; U3.9 v2(30.99,17.78) ; v2(34.78,52.7) 34.43,52.35 U4.41 ; v2(64.27,57.15) R2.1
  Top w0.6: U2.9 v1(19.18,16.51) ; U2.9 21.03,15.67 v1(21.08,15.62) ; U2.9 v1(22.73,16.51) U3.7 ; v1(11.68,15.62) 11.68,16.46 U2.8 ; U2.8 v1(13.46,16.51) ; U2.8 10.54,16.51 ; U3.7 v1(25.91,16.51) ; U3.7 24.32,15.68 v1(24.38,15.62) ; v1(88.14,49.15) 88.14,49.15 U1.32 v2(89.47,48.26) ; v2(95.38,35.62) 95.33,35.57 C3.2 93.08,35.57 v2(92.96,35.69) ; v1(61.09,25.4) U1.72 v1(57.91,25.4) ; v1(81.41,19.68) U1.7 v1(81.41,22.86) ; v1(75.06,48.26) U1.42 v1(75.06,51.43) ; v1(68.71,51.43) U1.47 v1(68.71,48.26) ; v1(61.09,41.91) U1.59 v1(57.91,41.91) ; v1(69.98,19.68) U1.82 v1(69.98,22.86) ; v1(86.49,31.75) U1.19 v2(89.47,31.75) ; U5.16 v1(40.77,17.14) ; v2(96.2,20.76) 96.38,20.59 C27.2 96.38,18.65 v2(96.2,18.48) ; v2(101.03,21.59) U7.1 v2(98.23,21.59) ; v1(10.16,20.95) 10.16,20.64 10.48,20.32 U2.5 ; U8.4 v3(52.78,49.4) ; U8.4 v3(53.48,50.4) ; U8.4 v3(52.78,51.45) ; U3.1 v2(22.86,24.13) ; v2(99.88,52.2) 100.08,52.4 C28.2 100.08,54.3 v2(99.88,54.5) ; v2(102.55,24.13) 102.32,23.9 C25.2 v2(101.6,22.99) ; C6.2 v2(58.42,55.88) ; v2(31.08,41) 30.88,41.2 C11.2 ; Y2.2 105.18,32.05 v2(105.38,32.25) ; C24.2 v2(102.83,27.05) ; C23.2 v2(104.13,34.7) ; J2.6 v2(98.33,54.6) ; Y2.4 v2(101.58,29.85)
  Top w0.762: v1(13.84,26.67) 13.89,26.72 C12.2 13.89,29.16 v1(13.84,29.21) ; v1(22.73,29.21) 22.78,29.16 C9.2 ; C14.2 18.34,29.16 v1(18.29,29.21) ; C14.2 v1(19.43,27.94) ; C14.2 18.34,26.72 v1(18.29,26.67) ; C9.2 22.78,26.72 v1(22.73,26.67) ; C9.2 v1(23.81,27.94) ; v1(30.92,27.18) 30.97,27.13 C8.2 v1(32.07,25.91) ; v1(42.54,55.24) 42.59,55.2 C16.2 v1(43.69,53.97) ; v1(41.53,36.19) 41.58,36.24 41.58,37.46 ; 41.58,37.46 v1(42.67,37.46) ; 41.58,37.46 41.58,38.69 41.56,38.7 v1(40.93,38.7) ; v1(83.06,10.16) 83.11,10.21 C21.1 v1(84.2,11.43) ; C1.2 97.49,10.21 v1(97.54,10.16) ; C1.2 97.49,12.65 v1(97.54,12.7) ; C1.2 v1(96.39,11.43) ; v1(76.07,11.43) C19.1 77.17,10.21 v1(77.22,10.16) ; v1(59.44,57.15) 59.39,57.1 C6.2 59.39,54.66 v1(59.44,54.61) ; C4.2 v1(82.93,55.88) ; C4.2 81.84,54.66 v1(81.79,54.61) ; C4.2 81.84,57.1 v1(81.79,57.15) ; C5.2 v1(76.58,55.88) ; C5.2 75.49,57.1 v1(75.44,57.15) ; C5.2 75.49,54.66 v1(75.44,54.61) ; C7.2 v1(53.47,30.23) ; C7.2 52.25,31.32 v1(52.2,31.37) ; C7.2 54.69,31.32 v1(54.74,31.37) ; C18.2 v1(34.04,10.54) C26.2 ; C18.2 35.13,9.32 v1(35.18,9.27) ; C18.2 35.13,11.76 v1(35.18,11.81) ; C26.2 32.89,8.89 v1(32.64,8.64) ; C26.2 v1(32.89,11.81) ; v1(89.22,13.97) 89.24,13.99 C2.2 ; BT1.2 14.22,43.69 v1(13.21,42.67) ; BT1.2 14.22,47.5 v1(15.24,48.51) ; BT1.2 12.32,45.59 v1(11.3,44.58) ; BT1.2 16.13,45.59 v1(17.14,46.61) ; C22.2 69.39,16.49 v1(69.36,16.51) ; C22.2 69.39,13.99 ; C22.2 v1(70.44,15.24) ; C20.2 81.18,16.49 v1(81.15,16.51) ; C20.2 81.18,13.99 ; C20.2 v1(82.23,15.24) ; C2.2 v1(90.3,15.24) ; C2.2 89.24,16.49 v1(89.22,16.51) ; v1(8.32,29.21) 8.27,29.16 C10.2 8.27,26.72 v1(8.32,26.67) ; v1(28.33,32.7) C13.2 29.38,33.85 v1(29.28,33.95) U6.1 v1(28.33,35.15)